# Altium PCB Main_Board.PcbDoc (part 2 of 3)
Units mil, origin at the board's own origin, x right, y up, seen from the top; angles counter-clockwise.
Board outline 4645.67 x 5570.87 mil, 4 copper layers (Top Layer, Layer 1, Layer 4, Bottom Layer), stack 23.756 mil thick; 249 components, 164 nets, 753 pads, 452 vias.
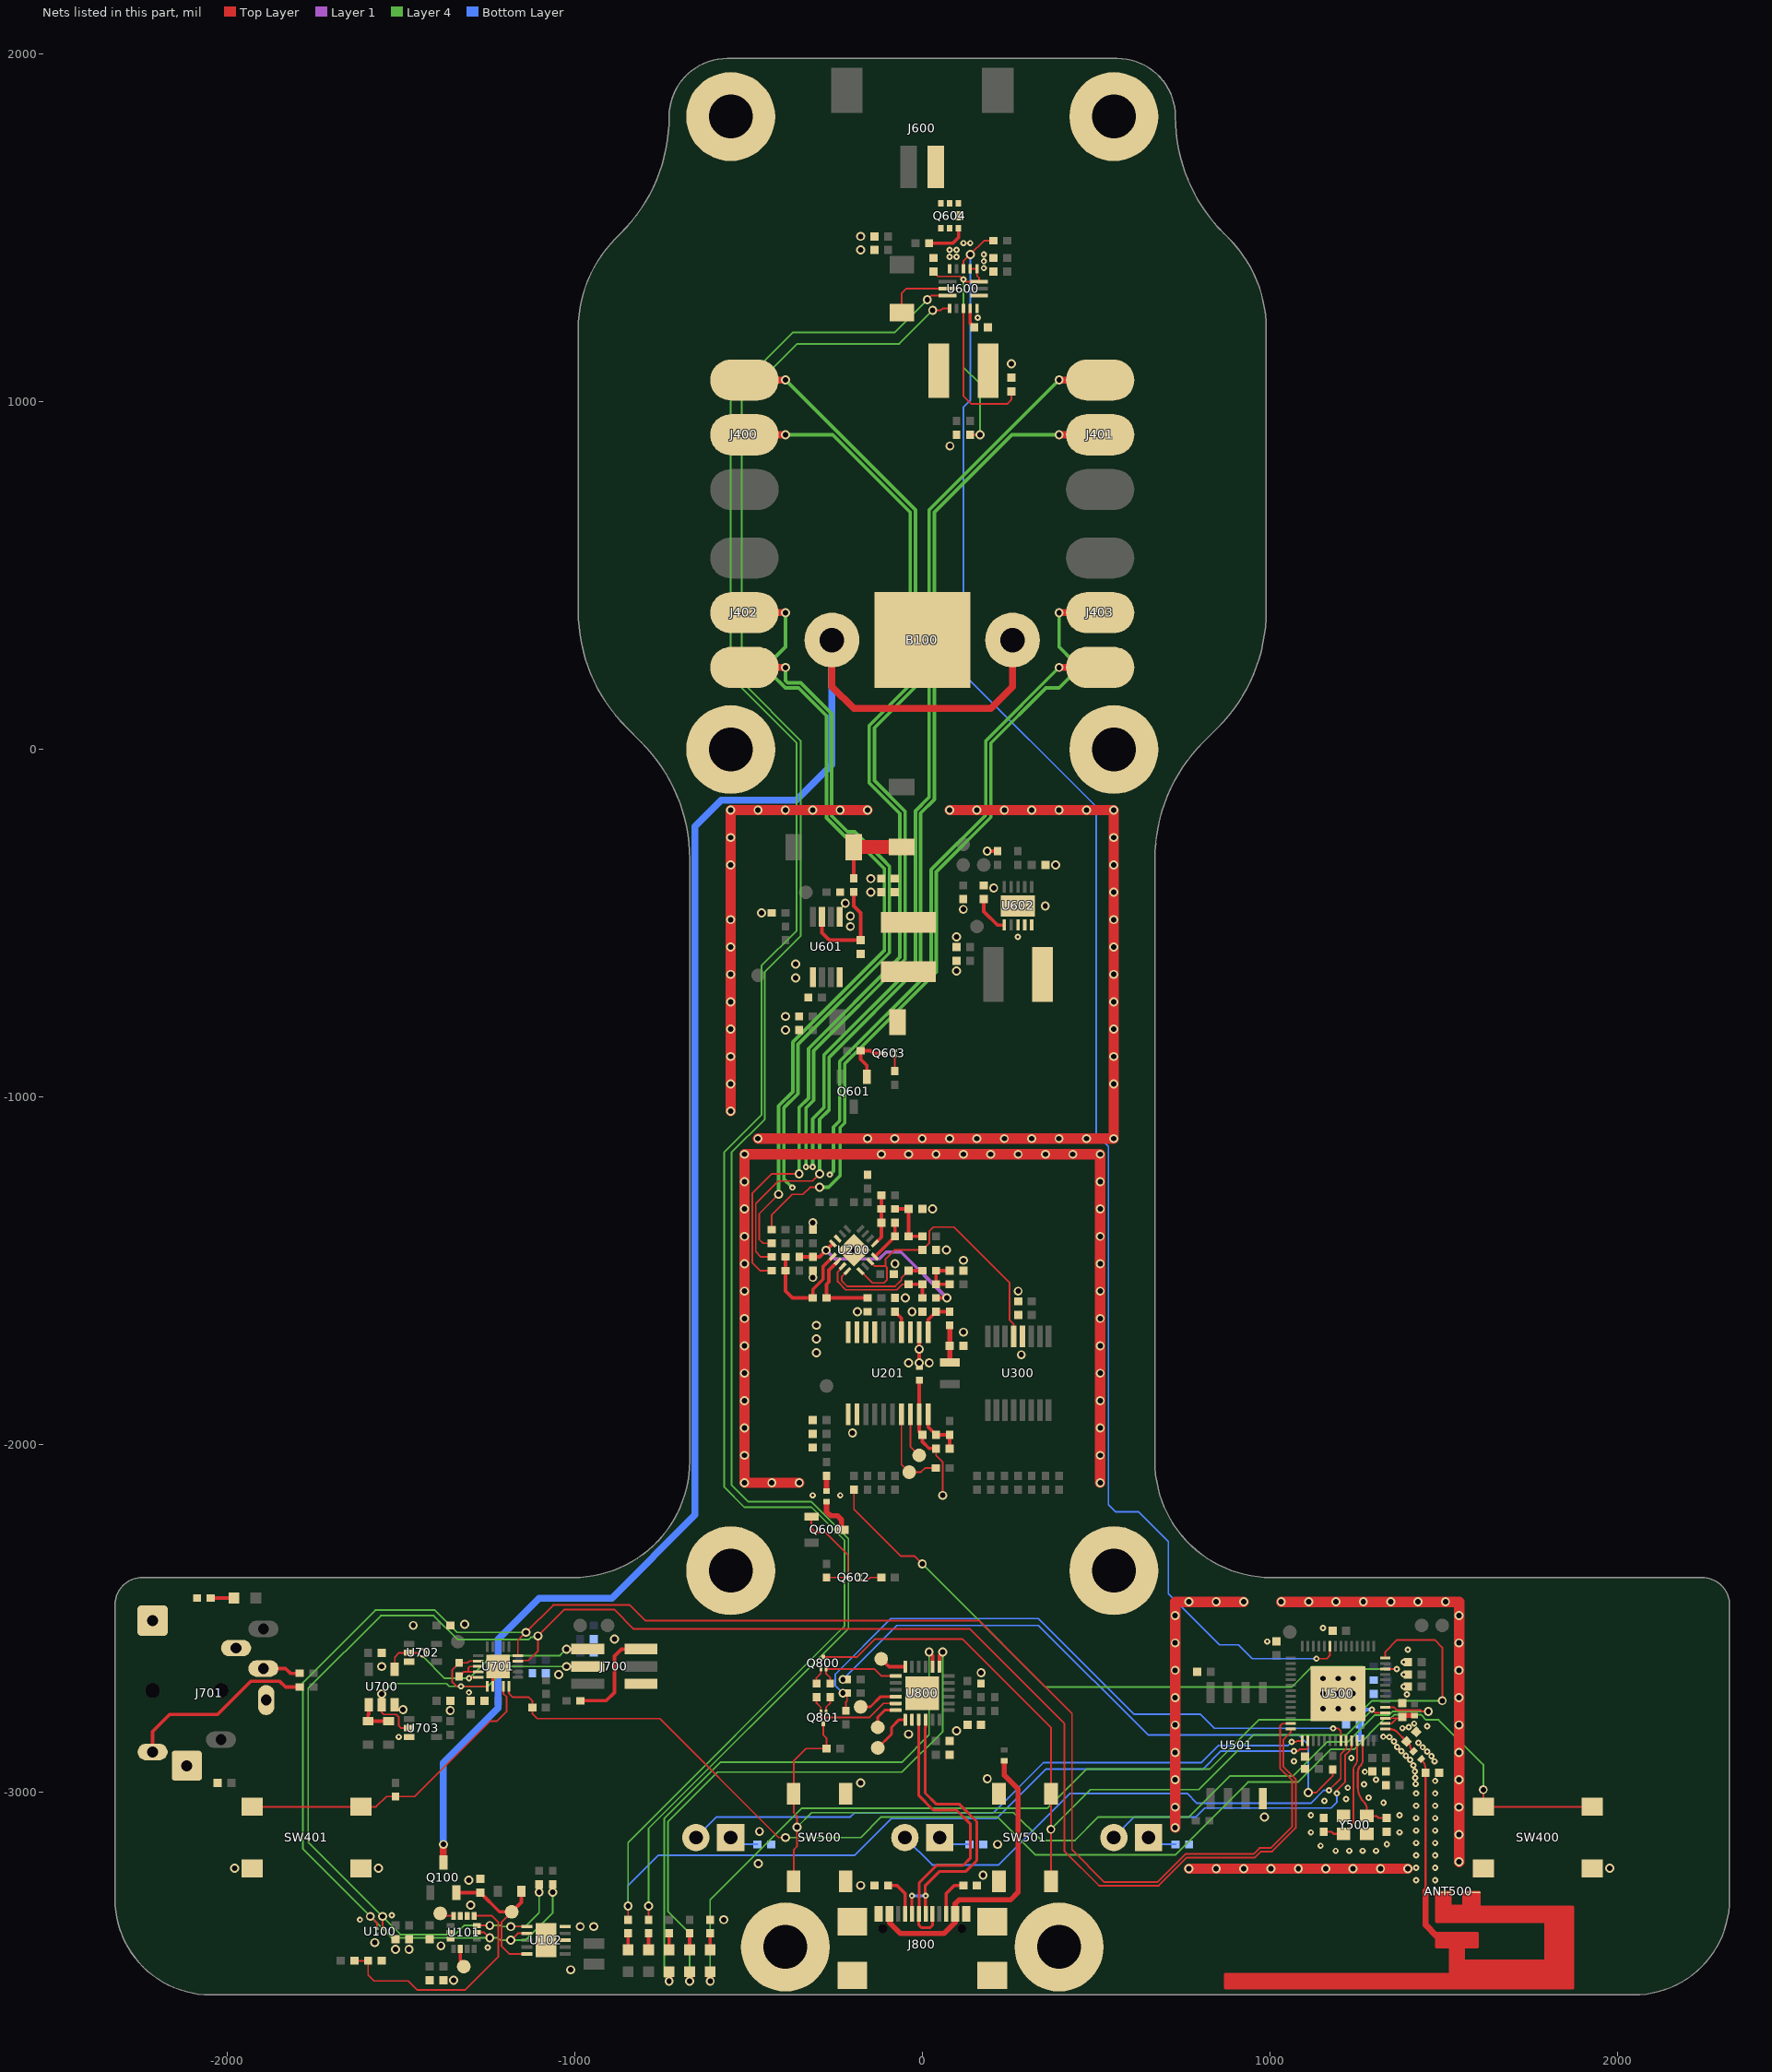
[diagram p4: the nets of this part, all layers, seen from the top]

## Part data (continued)
R203 R217 R600 R601 R607: library part RES,300k,1%,0.063W,0402, "300 kOhms ±1% 0.063W, 1/16W Chip Resistor 0402 (1005 Metric) Automotive AEC-Q200 Thick Film", Manufacturer="Stackpole Electronics Inc", Manufacturer Part Number=RMCF0402FT300K, Vendor Part Number=RMCF0402FT300KCT-ND, CreatedBy="Judd Foster", HelpURL=https://www.seielect.com/catalog/sei-rmcf_rmcp.pdf, Vendor=Digikey
R204 R218 R602 R603: library part RES,560R,1%,0.063W,0402, "560 Ohms ±1% 0.063W, 1/16W Chip Resistor 0402 (1005 Metric) Automotive AEC-Q200, Moisture Resistant Thick Film", Manufacturer="TE Connectivity Passive Product", Manufacturer Part Number=CRGCQ0402F560R, Vendor Part Number=A129624CT-ND, CreatedBy="Judd Foster", HelpURL=https://www.te.com/commerce/DocumentDelivery/DDEController?Action=srchrtrv&DocNm=1773204-3&DocType=DS&DocLang=English, Vendor=Digikey
R205 R208 R210 R211 R212 R213 R301 R302 R303 R306 R307 R308 R309 R615: library part RES,10R,1%,0.063W,0402, "10 Ohms ±1% 0.063W, 1/16W Chip Resistor 0402 (1005 Metric) Automotive AEC-Q200 Thick Film", Manufacturer="Panasonic Electronic Components", Manufacturer Part Number=ERJ-2RKF10R0X, Vendor Part Number=P10.0LCT-ND, CreatedBy="Judd Foster", HelpURL=https://industrial.panasonic.com/cdbs/www-data/pdf/RDA0000/AOA0000C304.pdf, Vendor=Digikey
R206 R209 R221 R300 R304 R305 R310 R311 R312 R400 R401 R500 R502 R503 R505 R604 R608 R609 R610 R611 R616 R619 R620 R621 R622 R623 R624 R702 R705 R708 R809 R810: library part RES,10k,5%,0.063W,0402, "10 kOhms ±5% 0.063W, 1/16W Chip Resistor 0402 (1005 Metric) Automotive AEC-Q200 Thick Film", Manufacturer="Stackpole Electronics Inc", Manufacturer Part Number=RMCF0402JT10K0, Vendor Part Number=RMCF0402JT10K0CT-ND, CreatedBy="Judd Foster", HelpURL=https://www.seielect.com/catalog/sei-rmcf_rmcp.pdf, Vendor=DIgikey
R402 R403 R404 R504 R703 R704 R800 R801: library part RES,150R,1%,0.1W,0402, "150 Ohms ±1% 0.063W, 1/16W Chip Resistor 0402 (1005 Metric) Automotive AEC-Q200, Moisture Resistant Thick Film", Manufacturer="TE Connectivity Passive Product", Manufacturer Part Number=CRGCQ0402F150R, Vendor Part Number=A129617CT-ND, CreatedBy="Judd Foster", HelpURL=https://www.te.com/commerce/DocumentDelivery/DDEController?Action=srchrtrv&DocNm=1773204-3&DocType=DS&DocLang=English, Vendor=Digikey
R501: library part RES,499R,1%,0.063W,0402, "499 Ohms ±1% 0.063W, 1/16W Chip Resistor 0402 (1005 Metric) Automotive AEC-Q200 Thick Film", Manufacturer="Stackpole Electronics Inc", Manufacturer Part Number=RMCF0402FT499R, Vendor Part Number=RMCF0402FT499RCT-ND, CreatedBy="Judd Foster", HelpURL=https://www.seielect.com/catalog/sei-rmcf_rmcp.pdf, Vendor=Digikey
R605: library part RES,50m,1%,0.5W,1206, "50 mOhms ±1% 0.5W, 1/2W Chip Resistor 1206 (3216 Metric) Current Sense Metal Film", Manufacturer=Ohmite, Manufacturer Part Number=KDV12FR050ET, Vendor Part Number=273-KDV12FR050ETCT-ND, CreatedBy="Judd Foster", HelpURL=https://www.ohmite.com/assets/docs/res_kdv.pdf?r=false, Vendor=Digikey
R606: library part RES,150k,1%,0.1W,0402, "150 kOhms ±1% 0.063W, 1/16W Chip Resistor 0402 (1005 Metric) Automotive AEC-Q200 Thick Film", Manufacturer="Stackpole Electronics Inc", Manufacturer Part Number=RMCF0402FT150K, Vendor Part Number=RMCF0402FT150KCT-ND, CreatedBy="Judd Foster", HelpURL=https://www.seielect.com/catalog/sei-rmcf_rmcp.pdf, Vendor=Digikey
R612 R614 R617 R618: library part RES,100k,5%,0.1W,0402, "100 kOhms ±5% 0.1W, 1/10W Chip Resistor 0402 (1005 Metric) Automotive AEC-Q200 Thick Film", Manufacturer="Panasonic Electronic Components", Manufacturer Part Number=ERJ-2GEJ104X, Vendor Part Number=P100KJCT-ND, CreatedBy="Judd Foster", HelpURL=https://b2b-api.panasonic.eu/file_stream/pids/fileversion/1242, Vendor=Digikey
R613: library part RES,Thermistor,3380K,0402, "NTC Thermistor 10k 0402 (1005 Metric)", Manufacturer="Murata Electronics", Manufacturer Part Number=NCU15XH103J6SRC, Vendor Part Number=490-NCU15XH103J6SRCCT-ND, CreatedBy="Judd Foster", HelpURL=https://www.murata.com/en-us/api/pdfdownloadapi?cate=luNTCforTempeSenso&partno=NCU15XH103J6SRC, Vendor=Digikey
R701: library part RES,330R,5%,0.063W,0402, "330 Ohms ±5% 0.063W, 1/16W Chip Resistor 0402 (1005 Metric) Automotive AEC-Q200 Thick Film", Manufacturer="Stackpole Electronics Inc", Manufacturer Part Number=RMCF0402JT330R, Vendor Part Number=RMCF0402JT330RCT-ND, CreatedBy="Judd Foster", HelpURL=https://www.seielect.com/catalog/sei-rmcf_rmcp.pdf, Vendor=Digikey
R802: library part RES,22k,1%,0.063W,0402, "22 kOhms ±1% 0.063W, 1/16W Chip Resistor 0402 (1005 Metric) Automotive AEC-Q200 Thick Film", Manufacturer="Stackpole Electronics Inc", Manufacturer Part Number=RMCF0402FT22K0, Vendor Part Number=RMCF0402FT22K0CT-ND, CreatedBy="Judd Foster", HelpURL=https://www.seielect.com/catalog/sei-rmcf_rmcp.pdf, Vendor=DIgikey
R806: library part RES,47k,1%,0.1W,0402, "47 kOhms ±1% 0.1W, 1/10W Chip Resistor 0402 (1005 Metric) Automotive AEC-Q200 Thick Film", Manufacturer="Panasonic Electronic Components", Manufacturer Part Number=ERJ-2RKF4702X, Vendor Part Number=P47.0KLCT-ND, CreatedBy="Judd Foster", HelpURL=https://industrial.panasonic.com/cdbs/www-data/pdf/RDA0000/AOA0000C304.pdf, Vendor=Digikey
R807 R808: library part RES,5k11,1%,0.063W,0402, "5.11 kOhms ±1% 0.063W, 1/16W Chip Resistor 0402 (1005 Metric) Automotive AEC-Q200, Moisture Resistant Thick Film", Manufacturer=Yageo, Manufacturer Part Number=AC0402FR-075K11L, Vendor Part Number=13-AC0402FR-075K11LCT-ND, CreatedBy="Judd Foster", HelpURL=https://www.yageo.com/upload/media/product/productsearch/datasheet/rchip/PYu-AC_51_RoHS_L_7.pdf, Vendor=Digikey
SW400 SW401: library part Switch,Tactile,SPST-NO,SMD,H5.0, "Tactile Switch SPST-NO Top Actuated Surface Mount", Manufacturer=C&K, Manufacturer Part Number="PTS645SK50SMTR92 LFS", Vendor Part Number=CKN9087CT-ND, CreatedBy="Judd Foster", HelpURL=https://dznh3ojzb2azq.cloudfront.net/products/Tactile/PTS645/documents/datasheet.pdf, Vendor=Digikey
SW500 SW501: library part Switch,Tactile,SPST-NO,SMD,H1.5, "Tactile Switch SPST-NO Top Actuated Surface Mount", Manufacturer=C&K, Manufacturer Part Number="PTS525SM15SMTR2 LFS", Vendor Part Number=CKN9104CT-ND, CreatedBy="Judd Foster", HelpURL=https://www.ckswitches.com/media/1467/pts525.pdf, Vendor=Digikey
TP100 TP101 TP102 TP200 TP201 TP500 TP501 TP600 TP601 TP602 TP603 TP604 TP605 TP606 TP607 TP608 TP609 TP700 TP800 TP801 TP802 TP803: "PCB Testpoint", Manufacturer=N/A, CreatedBy="Judd Foster", HelpURL=N/A, Manufacturer Part Number=N/A, Vendor=N/A, Vendor Part Number=N/A
U100: "Magnetoresistive Sensor X, Y, Z Axis 4-WLP (0.85x0.85)", Manufacturer="Memsic Inc.", Vendor Part Number=1267-MMC5633NJLCT-ND, CreatedBy="Judd Foster", HelpURL=https://media.digikey.com/pdf/Data%20Sheets/MEMSIC%20PDFs/MMC5633NJL_RevA_3-12-20.pdf, Manufacturer Part Number=MMC5633NJL, Vendor=Digikey
U101: "Accelerometer, Gyroscope, Temperature, 6 Axis Sensor I²C, SPI Output", Manufacturer=STMicroelectronics, Vendor Part Number=497-19784-1-ND, CreatedBy="Judd Foster", HelpURL=https://www.st.com/resource/en/datasheet/ism330dhcx.pdf, Manufacturer Part Number=ISM330DHCXTR, Vendor=Digikey
U102: "Real Time Clock (RTC) IC Clock/Calendar - I²C, 2-Wire Serial 10-XFDFN Exposed Pad", Manufacturer="NXP USA Inc.", Vendor Part Number=568-10235-1-ND, CreatedBy="Judd Foster", HelpURL=https://www.nxp.com/docs/en/data-sheet/PCF85063A.pdf, Manufacturer Part Number=PCF85063ATL/1,118, Vendor=Digikey
U200: "General Purpose Amplifier 4 Circuit Rail-to-Rail 16-WQFN (3x3)", Manufacturer="Texas Instruments", Vendor Part Number=296-51829-1-ND, CreatedBy="Judd Foster", HelpURL=https://www.ti.com/general/docs/suppproductinfo.tsp?distId=10&gotoUrl=https%3A%2F%2Fwww.ti.com%2Flit%2Fgpn%2Ftlv9004, Manufacturer Part Number=TLV9004SIRTER, Vendor=Digikey
U201: "24 Bit Analog to Digital Converter 1 Input 1 Sigma-Delta 20-TSSOP", Manufacturer="Microchip Technology", Vendor Part Number=150-MCP3561RT-E/STCT-ND, CreatedBy="Judd Foster", HelpURL=https://ww1.microchip.com/downloads/en/DeviceDoc/MCP3561.2.4R-Data-Sheet-DS200006391A.pdf, Manufacturer Part Number=MCP3561RT-E/ST, Vendor=Digikey
U300: "DAC, Audio 24 b 200k I²S 16-SSOP", Manufacturer="Texas Instruments", Vendor Part Number=296-41373-1-ND, CreatedBy="Judd Foster", HelpURL=https://www.ti.com/general/docs/suppproductinfo.tsp?distId=10&gotoUrl=https%3A%2F%2Fwww.ti.com%2Flit%2Fgpn%2Fpcm1780, Manufacturer Part Number=PCM1780DBQR, Vendor=Digikey
U500: "IC RF TxRx + MCU Bluetooth, WiFi 802.11b/g/n, Bluetooth v5.0 2.412GHz ~ 2.484GHz 56-VFQFN Exposed Pad", Manufacturer="Espressif Systems", Vendor Part Number=1904-ESP32-S3R8-ND, CreatedBy="Judd Foster", HelpURL=https://www.espressif.com/sites/default/files/documentation/esp32-s3_datasheet_en.pdf, Manufacturer Part Number=ESP32-S3R8, Vendor=Digikey
U501: "FLASH - NOR Memory IC 128Mb (16M x 8) SPI - Quad I/O 133 MHz 8-SOIC", Manufacturer="Adesto Technologies", Vendor Part Number=1265-1348-1-ND, CreatedBy="Judd Foster", HelpURL=https://www.dialog-semiconductor.com/sites/default/files/2021-02/DS-AT25SF128A-168.pdf, Manufacturer Part Number=AT25SF128A-SHB-T, Vendor=Digikey
U600: "Charger IC Lithium Ion/Polymer 16-QFN (3x3)", Manufacturer="Monolithic Power Systems Inc.", Vendor Part Number=1589-MP2615AGQ-ZCT-ND, CreatedBy="Judd Foster", HelpURL=https://www.monolithicpower.com/en/documentview/productdocument/index/version/2/document_type/Datasheet/lang/en/sku/MP2615AGQ-Z/document_id/1433/, Manufacturer Part Number=MP2615AGQ-Z, Vendor=Digikey
U601: "Boost Switching Regulator IC Positive Adjustable 1.24V 1 Output 2.2A (Switch) 8-TSSOP, 8-MSOP (0.118\", 3.00mm Width)", Manufacturer="Texas Instruments", Vendor Part Number=LM2623AMM/NOPBCT-ND, CreatedBy="Judd Foster", HelpURL=https://www.ti.com/general/docs/suppproductinfo.tsp?distId=10&gotoUrl=https%3A%2F%2Fwww.ti.com%2Flit%2Fgpn%2Flm2623, Manufacturer Part Number=LM2623AMM/NOPB, Vendor=Digikey
U602: "Buck Switching Regulator IC Positive Fixed 3.3V 1 Output 2A 10-UFDFN Exposed Pad", Manufacturer="Nisshinbo Micro Devices Inc.", Vendor Part Number=2129-RP506K331B-CT-ND, CreatedBy="Judd Foster", HelpURL=https://www.nisshinbo-microdevices.co.jp/en/pdf/datasheet/rp506-ea.pdf, Manufacturer Part Number=RP506K331B-TR, Vendor=Digikey
U700: "Buffer, Inverting 1 Element 1 Bit per Element 3-State Output SOT-23-5", Manufacturer="Texas Instruments", Vendor Part Number=296-32301-1-ND, CreatedBy="Judd Foster", HelpURL=https://www.ti.com/general/docs/suppproductinfo.tsp?distId=10&gotoUrl=https%3A%2F%2Fwww.ti.com%2Flit%2Fgpn%2Fsn74lvc1g240, Manufacturer Part Number=SN74LVC1G240DBVT, Vendor=Digikey
U701: "PIC series Microcontroller IC 8-Bit 64MHz 16KB (16K x 8) FLASH 20-VQFN (3x3)", Manufacturer="Microchip Technology", Vendor Part Number=150-PIC18F14Q40-I/REB-ND, CreatedBy="Judd Foster", HelpURL=https://ww1.microchip.com/downloads/en/DeviceDoc/PIC18F04-05-14-15-Q40-1420-Pin-Low-Power-High-Performance-Microcontroller-With-XLP-Technology-Data-Sheet-40002236B.pdf, Manufacturer Part Number=PIC18F14Q40-I/REB, Vendor=Digikey
U702 U703: "1 Circuit IC Switch 1:1 15Ohm SC-88A (SC-70-5/SOT-353)", Manufacturer=onsemi, Vendor Part Number=NS5B1G384DFT2GOSCT-ND, CreatedBy="Judd Foster", HelpURL=https://www.onsemi.com/pdf/datasheet/ns5b1g384-d.pdf, Manufacturer Part Number=NS5B1G384DFT2G, Vendor=Digikey
U800: "USB Bridge, USB to UART USB 2.0 UART Interface 24-QFN (4x4)", Manufacturer="Silicon Labs", Vendor Part Number=336-5888-1-ND, CreatedBy="Judd Foster", HelpURL=https://www.silabs.com/documents/public/data-sheets/cp2102n-datasheet.pdf, Manufacturer Part Number=CP2102N-A02-GQFN24R, Vendor=Digikey
Y100: library part XTAL,32.768kHz,9pF,SMD, "32.768 kHz ±20ppm Crystal 9pF 70 kOhms 2-SMD, No Lead", Manufacturer="Micro Crystal AG", Manufacturer Part Number=CM8V-T1A-32.768KHZ-9PF-20PPM-TA-QC, Vendor Part Number=2195-CM8V-T1A-32.768KHZ-9PF-20PPM-TA-QCCT-ND, CreatedBy="Judd Foster", HelpURL=https://www.microcrystal.com/fileadmin/Media/Products/32kHz/Datasheet/CM8V-T1A.pdf, Vendor=Digikey
Y500: library part XTAL,40MHz,12pF,SMD, "40 MHz ±7ppm Crystal 12pF 25 Ohms 4-SMD, No Lead", Manufacturer="Hosonic Electronic Co., Ltd", Manufacturer Part Number=E2SB40E000104E, Vendor Part Number=3186-E2SB40E000104ECT-ND, CreatedBy="Judd Foster", HelpURL=https://ecsxtal.com/store/pdf/ECS-33B.pdf, Vendor=Digikey

## Free pads (board coordinates)
  round 255.91 hole 125.98 mask+1.97: 0(-551.18,-2362.2) 0(-551.18,0) 0(-551.18,1820.87) 0(-393.7,-3444.88) 0(393.7,-3444.88) 0(551.18,-2362.2) 0(551.18,0) 0(551.18,1820.87)

## Via types
v1: diameter 25.98, hole 15.75, Top Layer to Bottom Layer, tented both sides, 343 vias
v2: diameter 18.11, hole 7.87, Top Layer to Bottom Layer, tented both sides, 109 vias

## Nets (pads, with @x,y where several pads share a name; then routed paths per layer and width w, separated by ;. In a path a pad name is that pad's centre, name@x,y a point inside that pad or via, vN(x,y) a via of type N, cw(c..) or ccw(c..) an arc to the next point about the centre after c; other vN are vias at no path point)
A_GND: C200.1 C201.2 C204.1 C300.1 C301.1 C302.1 C304.1 C305.2 C307.1 C618.1 C619.1 C620.1 J400.1 J401.3 J402.3 J403.1 NT200.2 R207.1 R219.2 R220.2 R222.1 U200.11 U200.17 U201.2 U201.3 U201.7 U201.8 U201.9 U201.10 U201.11 U201.12 U300.12 | length 12344.1
  Top Layer w10: NT200.2@-8.66,-1774.15 v1(-8.66,-1764.15) v1(-8.66,-1725.1) U201.2@-8.66,-1676.04
  Top Layer w20: J402.3@-511.81,236.22 v1(-393.7,236.22) ; J400.1@-511.81,1062.99 v1(-393.7,1062.99) ; v1(393.7,236.22) J403.1@511.81,236.22 ; v1(393.7,1062.99) J401.3@511.81,1062.99
  Top Layer w30: v1(-354.13,-2109.11) v1(-432.87,-2109.11) v1(-511.61,-2109.11) v1(-511.61,-1794.15) v1(-511.61,-1715.41) v1(-511.61,-1557.93) v1(-511.61,-1479.19) v1(-511.61,-1400.45) v1(-511.61,-1321.71) v1(-511.61,-1242.97) v1(-511.61,-1164.23) v1(-39.17,-1164.23) v1(39.57,-1164.23) v1(275.79,-1164.23) v1(512.01,-1164.23) v1(512.01,-1321.71) v1(512.01,-1400.45) v1(512.01,-1479.19) v1(512.01,-1557.93) v1(512.01,-1636.67) v1(512.01,-1715.41) v1(512.01,-1794.15) v1(512.01,-1872.89) v1(512.01,-1951.63) v1(512.01,-2030.37) v1(512.01,-2109.11)
  Layer 4 w10: v1(-393.7,236.22) -393.7,198.38 -387.49,192.17 -349.65,192.17 -260.59,103.11 -260.59,-190.64 -215.01,-236.22 -193.79,-236.22 -113.54,-316.47 -94.28,-335.73 -94.28,-584.71 -357.44,-847.87 -357.44,-977.99 -357.44,-990.42 -398.39,-1031.36 -398.39,-1235.47 v2(-374.02,-1259.84) ; v1(-393.7,1062.99) -19.69,688.98 -19.69,180.54 -137.8,62.43 -137.8,-89.32 -49.28,-177.84 -49.28,-603.35 -312.44,-866.51 -312.44,-985.52 -312.44,-1009.06 -334.65,-1031.26 v2(-334.65,-1200.79) ; v2(-314.96,-1200.79) -314.96,-1062.05 -282.85,-1029.94 -282.85,-878.77 -19.69,-615.61 -19.69,-176.44 19.68,-137.07 19.68,688.98 v1(393.7,1062.99) ; v2(-265.91,-1222.73) -255.91,-1212.73 -255.91,-1085.77 -237.85,-1067.71 -237.85,-897.41 25.31,-634.25 25.31,-345.64 182.61,-188.35 182.61,25.13 v1(393.7,236.22)
  other v1: -511.61,-2030.37 -200.63,-1966.41 -511.61,-1951.63 -511.61,-1872.89 -39.17,-1764.15 19.88,-1764.15 284.86,-1741.12 -304.92,-1735.1 -304.92,-1695.73 118.31,-1676.04 -304.92,-1656.36 -511.61,-1636.67 -186.81,-1616.99 -29.33,-1616.99 -49.02,-1577.62 275.79,-1557.93 -314.76,-1518.56 -78.54,-1479.19 118.31,-1469.35 -196.65,-1439.82 69.09,-1439.82 -314.76,-1361.08 29.72,-1321.71 512.01,-1242.97 -117.91,-1164.23 118.31,-1164.23 197.05,-1164.23 354.53,-1164.23 433.27,-1164.23
BTN1: R400.2 SW400.3 SW400.4 U701.20 | length 3748
  Top Layer w5: U701.20@-1188.98,-2694.88 -1188.98,-2715.85 -1178.45,-2726.38 -1131.89,-2726.38 -1122.05,-2736.22 R400.2@-1122.05,-2755.91 -1122.05,-2773.12 -1107.34,-2787.82 -755.49,-2787.82 -413.39,-3129.92 v1(-393.7,-3129.92) ; v1(1614.17,-2992.13) 1614.17,-3040.35 SW400.4@1615.16,-3041.34 SW400.3@1928.15,-3041.34
  Layer 4 w5: v1(-393.7,-3129.92) -177.17,-3129.92 -118.11,-3070.87 216.54,-3070.87 325.56,-3179.9 727.77,-3179.9 937.24,-2970.42 1081.05,-2970.42 1175.16,-2876.32 1242.42,-2876.32 1330.57,-2788.17 1346.42,-2788.17 1357.77,-2776.82 1435.73,-2776.82 1450.04,-2791.14 1485.58,-2791.14 1614.17,-2919.73 v1(1614.17,-2992.13)
BTN2: R401.2 SW401.3 SW401.4 U701.19 | length 921.7
  Top Layer w5: SW401.4@-1928.15,-3041.34 SW401.3@-1615.16,-3041.34 -1571.39,-3041.34 -1541.87,-3011.81 R401.2@-1515.75,-3011.81 -1460.03,-3011.81 -1243.69,-2795.48 -1224.5,-2795.48 -1195.76,-2766.74 -1195.76,-2726.01 -1204.72,-2717.04 U701.19@-1204.72,-2694.88
CMPO/RX: R705.1 U701.13 U701.14 | length 102.1
  Top Layer w5: R705.1@-1332.26,-2666.71 -1319.1,-2653.54 -1306.16,-2653.54 ; U701.14@-1277.56,-2653.54 -1306.16,-2653.54 ; U701.13@-1277.56,-2637.8 -1302.06,-2637.8 -1306.16,-2641.9 -1306.16,-2653.54
CP2102_USB_N: J800.A7 J800.B7 U800.4 | length 909.6
  Top Layer w8: J800.B7@-29.53,-3349.39 v2(-29.53,-3297.22) ; v2(9.84,-3297.22) J800.A7@9.84,-3349.39 9,-3348.54 9,-3267.72 48.68,-3228.04 124.62,-3228.04 156.69,-3195.97 156.69,-3083.99 105.88,-3033.18 39.37,-3033.18 8.16,-3001.97 8.16,-2813.34 9.84,-2811.65 U800.4@9.84,-2790.72
  Bottom Layer w8: v2(-29.53,-3297.22) v2(9.84,-3297.22)
CP2102_USB_P: J800.A6 J800.B6 U800.3 | length 875.4
  Top Layer w8: U800.3@-9.84,-2790.72 -9.84,-2811.65 -9.84,-3009.42 31.91,-3051.18 98.43,-3051.18 138.69,-3091.44 138.69,-3188.52 117.16,-3210.04 41.22,-3210.04 -9,-3260.26 -9,-3348.54 J800.A6@-9.84,-3349.39 -9.84,-3381.81 -2.68,-3388.97 22.57,-3388.97 29.53,-3382.01 J800.B6@29.53,-3349.39
DATAN/PGC: J700.4 U700.4 U701.15 U702.2 | length 694.2
  Top Layer w5: U700.4@-1517.72,-2645.67 -1517.72,-2610.78 -1505.37,-2598.43 U702.2@-1476.38,-2598.43 v1(-1437.01,-2598.43) ; v2(-1304.07,-2671.88) -1301.48,-2669.29 U701.15@-1277.56,-2669.29 ; v1(-1023.62,-2587.79) J700.4@-962.6,-2587.8
  Layer 4 w5: v1(-1437.01,-2598.43) -1437.01,-2609.02 -1374.15,-2671.88 v2(-1304.07,-2671.88) -1269.99,-2637.8 -1238.68,-2606.49 -1042.32,-2606.49 v1(-1023.62,-2587.79)
DATAP/PGD: J700.5 R705.2 U700.2 U701.12 U701.16 U703.2 | length 1017.6
  Top Layer w5: v1(-1555.12,-2716.54) U700.2@-1555.12,-2748.03 -1555.12,-2770.43 -1549.88,-2775.67 -1513.43,-2775.67 -1506.56,-2782.53 -1506.56,-2807.34 -1498.95,-2814.96 U703.2@-1476.38,-2814.96 ; v2(-1327.51,-2694.88) -1340.4,-2694.88 -1351.95,-2683.33 -1351.95,-2647.03 R705.2@-1332.26,-2627.34 -1307.68,-2627.34 -1302.38,-2622.05 U701.12@-1277.56,-2622.05 ; v2@-1322.02,-2694.88 U701.16@-1251.97,-2694.88 ; v1(-1023.62,-2637.8) J700.5@-962.6,-2637.8
  Layer 4 w5: v1(-1555.12,-2716.54) -1525.63,-2687.05 -1369.34,-2687.05 -1361.51,-2694.88 v2(-1327.51,-2694.88) -1249.49,-2694.88 -1192.41,-2637.8 v1(-1023.62,-2637.8)
ESP32_CHIP_PU: C515.2 Q800.3 R503.2 SW501.3 SW501.4 U500.4 | length 2437.9
  Top Layer w5: Q800.3@-284.45,-2611 -188.2,-2611 -136.42,-2559.22 115.98,-2559.22 370.08,-2813.32 SW501.4@370.08,-3003.94 v1(370.08,-3106.31) SW501.3@370.08,-3255.91 ; v2(1293.91,-2762.05) 1302.63,-2770.76 U500.4@1332.27,-2770.76
  Layer 4 w5: v1(370.08,-3106.31) 484.26,-2992.13 795.36,-2992.13 952.84,-2834.65 1221.32,-2834.65 v2(1293.91,-2762.05)
  Bottom Layer w10: R503.2@1259.26,-2844.12 C515.2@1259.26,-2804.75 1259.26,-2780.85 1278.07,-2762.05 v2(1293.91,-2762.05)
ESP32_GPIO0: Q801.3 R502.2 SW500.1 SW500.2 U500.5 | length 2688.4
  Top Layer w5: SW500.1@-370.08,-3255.91 -370.08,-3165.35 -360.31,-3155.58 v1(-360.31,-3100.05) -360.31,-3067.77 -370.08,-3058 SW500.2@-370.08,-3003.94 -370.08,-2909.45 -334.65,-2874.02 R502.2@-275.59,-2874.02 -275.59,-2844.01 -284.45,-2835.16 Q801.3@-284.45,-2802.34 ; U500.5@1332.27,-2755.01 1356.47,-2755.01 1364.34,-2762.89 1434.2,-2762.89 1438.13,-2766.82 v1(1456.11,-2766.82)